# Altium PCB Goldstrike1_Rev01 2014 06 02 2.PcbDoc (part 5 of 6)
Units mm, origin at the board's own origin, x right, y up, seen from the top; angles counter-clockwise.
Board outline 110 x 255.5 mm, 4 copper layers (L1, L2, L3, L4), stack 1.577 mm thick; 658 components, 193 nets, 4346 pads, 2120 vias.
Unrouted connection lines stored in the file: 1041.
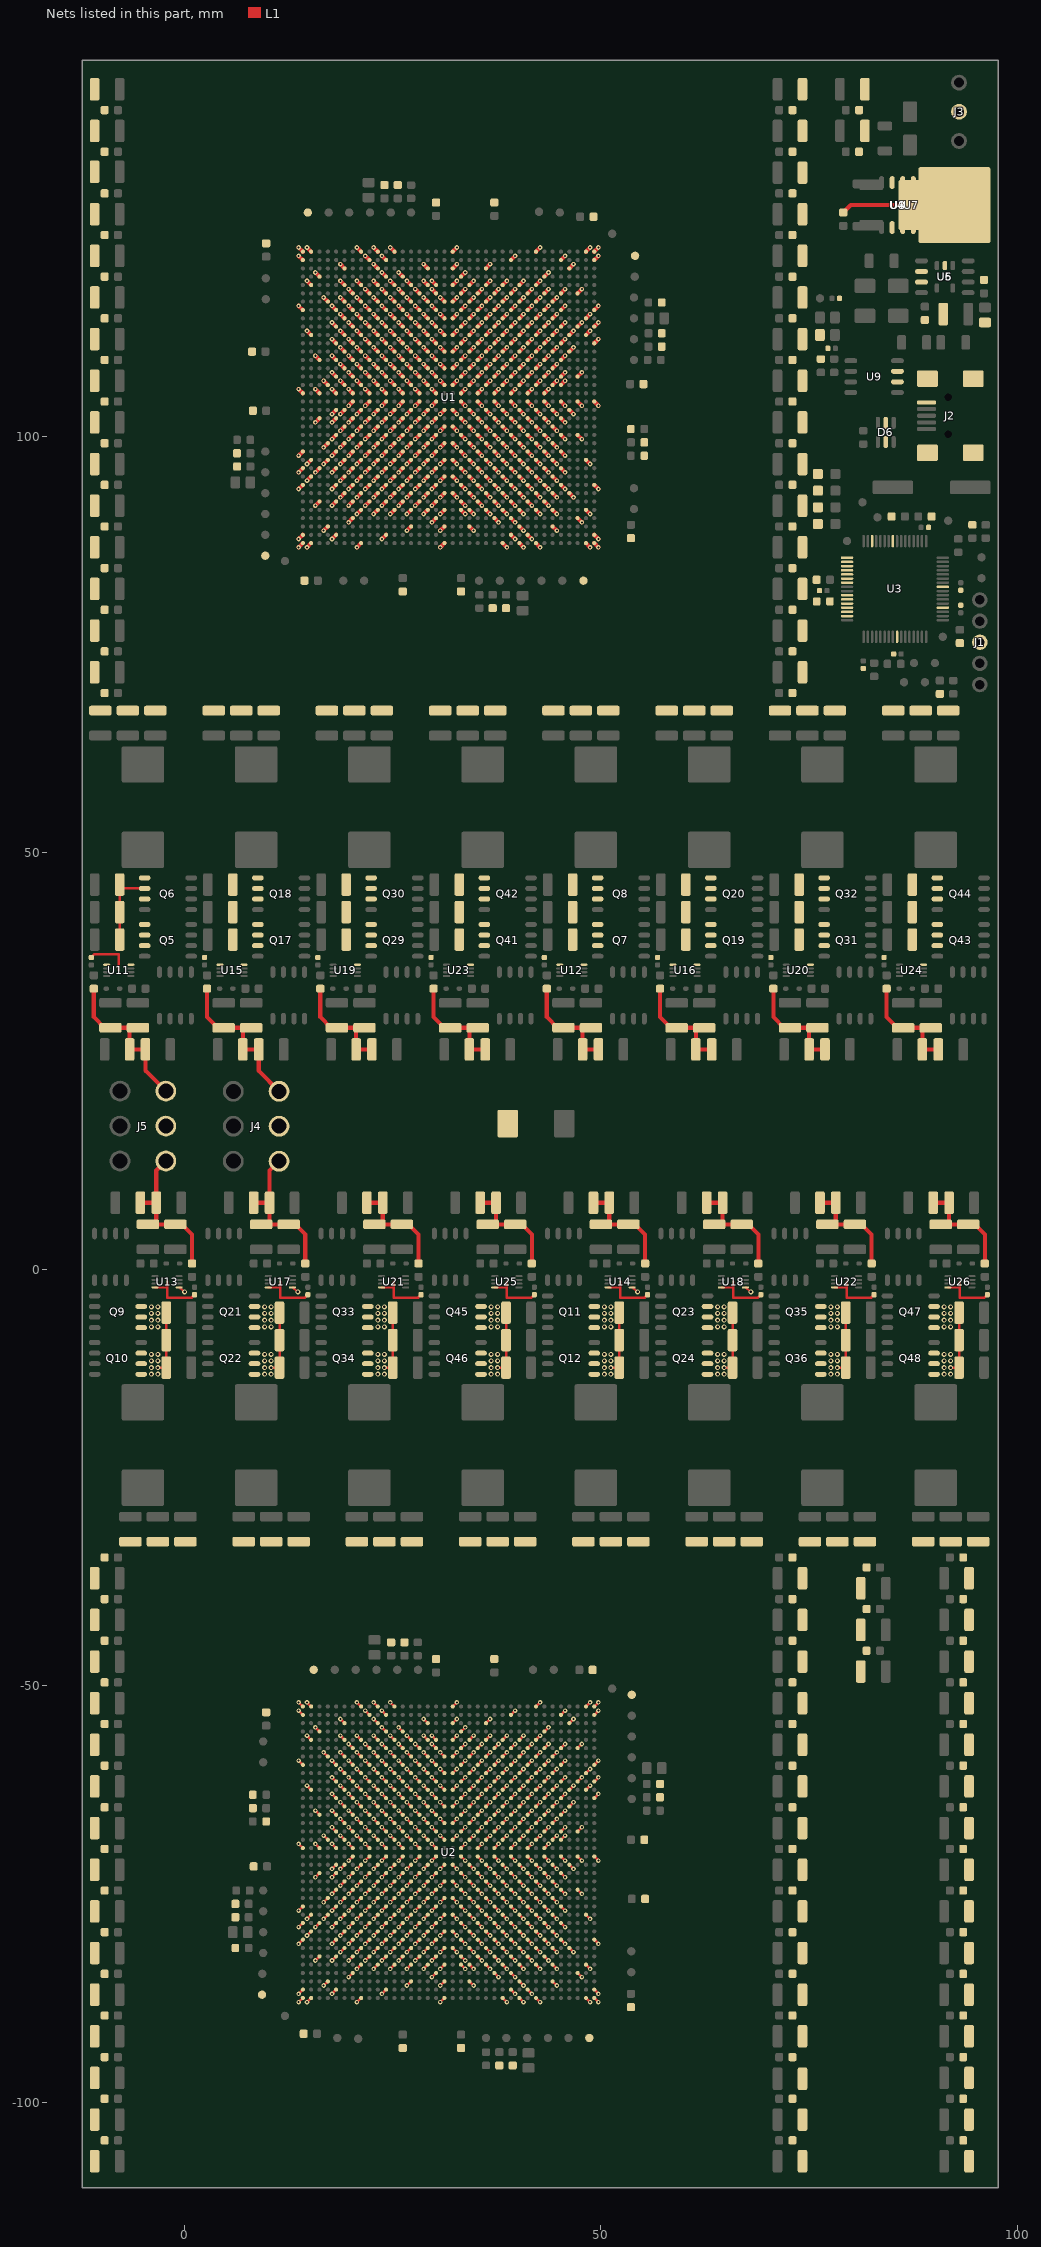
[diagram p7: the nets of this part, all layers, seen from the top]

## Via types
v1: diameter 0.55/0.55 (per signal layer), hole 0.25, L1 to L4, 1968 vias
v2: diameter 0.6/0.6 (per signal layer), hole 0.3, L1 to L4, 152 vias

## Nets (pads, with @x,y where several pads share a name; then routed paths per layer and width w, separated by ;. In a path a pad name is that pad's centre, name@x,y a point inside that pad or via, vN(x,y) a via of type N, cw(c..) or ccw(c..) an arc to the next point about the centre after c; other vN are vias at no path point) (continued)
GND: C1.2 C2.2 C3.2 C4.2 C5.2 C6.2 C7.2 C8.2 C9.2 C10.2 C11.2 C12.2 C13.1 C14.2 C15.2 C16.2 C17.2 C18.2 C19.1 C20.1 C21.1 C22.1 C23.1 C24.2 C25.2 C26.2 C27.2 C32.1 C33.1 C34.1 C35.1 C36.1 C37.1 C38.1 C39.1 C40.1 C41.1 C42.1 C43.1 C44.1 C45.1 C46.1 C47.1 C48.1 C49.1 C50.1 C51.1 C52.1 C53.1 C54.1 C55.1 C56.2 C57.2 C58.2 C59.2 C64.1 C65.1 C66.1 C67.1 C68.1 C69.1 C70.1 C71.1 C72.1 C73.1 C74.1 C75.1 C76.1 C77.1 C78.1 C79.1 C80.1 C81.1 C82.1 C83.1 C84.1 C85.1 C86.1 C87.1 C88.2 C89.2 C90.2 C91.2 C96.1 C97.1 C98.1 C99.1 C100.1 C101.1 C102.1 C103.1 C104.1 C105.1 C106.1 C107.1 C108.1 C109.1 C110.1 C111.1 C112.1 C113.1 C114.1 C115.1 C116.1 C117.1 C118.1 C119.1 C120.2 C121.2 C122.2 C123.2 C128.1 C129.1 C130.1 C131.1 C132.1 C133.1 C134.1 C135.1 C136.1 C137.1 C138.1 C139.1 C140.1 C141.1 C142.1 C143.1 C144.1 C145.1 C146.1 C147.1 C148.2 C149.2 C150.2 C151.2 C152.2 C153.2 C154.2 C155.2 C156.2 C157.2 C158.2 C159.2 C160.2 C161.2 C162.2 C163.2 C164.1 C165.1 C166.1 C167.1 C168.1 C169.1 C170.1 C171.1 C172.1 C173.1 C174.1 C175.1 C176.1 C177.1 C178.1 C179.1 C180.1 C181.1 C182.1 C183.1 C184.1 C185.1 C186.1 C187.1 C188.1 C189.1 C190.1 C191.1 C192.1 C193.1 C194.1 C195.1 C196.1 C197.1 C198.1 C199.1 C200.1 C201.1 C202.1 C203.1 C204.1 C205.1 C206.1 C207.1 C208.1 C209.1 C210.1 C211.1 C212.1 C213.1 C214.1 C215.1 C216.1 C217.1 C218.1 C219.1 C220.1 C221.1 C222.1 C223.1 C224.1 C225.1 C226.1 C227.1 C228.1 C229.1 C230.1 C231.1 C232.1 C233.1 C234.1 C235.1 C236.1 C237.1 C238.1 C239.1 C240.1 C241.1 C242.1 C243.1 C244.1 C245.1 C246.1 C247.1 C248.1 C249.1 C250.1 C251.1 C252.1 C253.1 C254.1 C255.1 C256.1 C257.1 C258.1 C259.1 C260.1 C261.1 C262.1 C263.1 C264.1 C265.1 C266.1 C267.1 C268.1 C269.1 C270.1 C271.1 C272.1 C273.1 C274.1 C275.1 C276.1 C277.1 C278.1 C279.1 C280.1 C281.1 C282.1 C283.1 C284.1 C285.1 C286.1 C287.1 C288.1 C289.1 C290.1 C291.1 C292.1 C293.1 C294.1 C295.1 C296.1 C297.1 C298.1 C299.1 C300.1 C301.1 C302.1 C303.1 C304.1 C305.1 C306.1 C307.1 C308.1 C309.1 C310.1 C311.1 C312.1 C313.1 C314.1 C315.1 C316.1 C317.1 C318.1 C319.1 C320.1 C321.1 C322.1 C323.1 C324.1 C325.1 C326.1 C327.1 C328.1 C329.1 C330.1 C331.1 C332.1 C333.1 C334.1 C335.1 C336.1 C337.1 C338.1 C339.1 C340.1 C341.1 C342.1 C343.1 C344.1 C345.1 C346.1 C347.2 C348.1 C349.1 C350.1 C351.1 C352.1 C353.1 C354.1 C355.1 C356.1 C357.1 C358.1 C359.1 C360.1 C361.1 C362.1 C363.1 C364.1 C365.1 C366.1 C367.1 C368.1 C369.1 C370.1 C371.1 C372.1 C373.1 C374.1 C375.1 C376.1 C377.1 C378.1 C379.1 C380.1 C381.1 C382.1 C383.1 C384.1 C385.1 C386.1 C387.1 C388.1 C389.1 C390.1 C391.1 C392.1 C393.1 C394.1 C395.1 C396.1 C397.1 C398.1 C399.1 C400.1 C401.1 C402.1 C403.1 C404.1 C405.1 C406.1 C407.1 C408.1 C409.1 C410.1 C411.1 C412.1 C413.1 C414.1 C415.1 C416.1 C417.1 C418.1 C419.1 C420.1 C421.1 C422.1 C423.1 C424.1 C425.1 C426.1 C427.1 D1.1 D2.1 D3.1 D4.1 D6.2 D6.5 D9.2 J1.3 J2.5 J2.6 J2.7 J2.8 J2.9 J3.2 J4.4 J4.5 J4.6 J5.4 J5.5 J5.6 Q5.1 Q5.2 Q5.3 Q6.1 Q6.2 Q6.3 Q7.1 Q7.2 Q7.3 Q8.1 Q8.2 Q8.3 Q9.1 Q9.2 Q9.3 Q10.1 Q10.2 Q10.3 Q11.1 Q11.2 Q11.3 Q12.1 Q12.2 Q12.3 Q17.1 Q17.2 Q17.3 Q18.1 Q18.2 Q18.3 Q19.1 Q19.2 Q19.3 Q20.1 Q20.2 Q20.3 Q21.1 Q21.2 Q21.3 Q22.1 Q22.2 Q22.3 Q23.1 Q23.2 Q23.3 Q24.1 Q24.2 Q24.3 Q29.1 Q29.2 Q29.3 Q30.1 Q30.2 Q30.3 Q31.1 Q31.2 Q31.3 Q32.1 Q32.2 Q32.3 Q33.1 Q33.2 Q33.3 Q34.1 Q34.2 Q34.3 Q35.1 Q35.2 Q35.3 Q36.1 Q36.2 Q36.3 Q41.1 Q41.2 Q41.3 Q42.1 Q42.2 Q42.3 Q43.1 Q43.2 Q43.3 Q44.1 Q44.2 Q44.3 Q45.1 Q45.2 Q45.3 Q46.1 Q46.2 Q46.3 Q47.1 Q47.2 Q47.3 Q48.1 Q48.2 Q48.3 R1.2 R2.2 R3.2 R5.1 R17.2 R20.2 R22.2 R23.2 R26.2 TP70.1 TP71.1 TP72.1 TP73.1 TP74.1 TP75.1 TP76.1 TP77.1 U1.A1 U1.A2 U1.A10 U1.A12 U1.A19 U1.A29 U1.A35 U1.A36 U1.AA3 U1.AA5 U1.AA7 U1.AA9 U1.AA11 U1.AA13 U1.AA15 U1.AA17 U1.AA20 U1.AA22 U1.AA24 U1.AA26 U1.AA28 U1.AA30 U1.AA32 U1.AB6 U1.AB8 U1.AB10 U1.AB12 U1.AB14 U1.AB16 U1.AB18 U1.AB19 U1.AB21 U1.AB23 U1.AB25 U1.AB27 U1.AB29 U1.AB31 U1.AC5 U1.AC7 U1.AC9 U1.AC11 U1.AC13 U1.AC15 U1.AC17 U1.AC20 U1.AC22 U1.AC24 U1.AC26 U1.AC28 U1.AC30 U1.AC32 U1.AC34 U1.AD4 U1.AD6 U1.AD8 U1.AD10 U1.AD12 U1.AD14 U1.AD16 U1.AD18 U1.AD19 U1.AD21 U1.AD23 U1.AD25 U1.AD27 U1.AD29 U1.AD31 U1.AE1 U1.AE5 U1.AE7 U1.AE9 U1.AE11 U1.AE13 U1.AE15 U1.AE17 U1.AE20 U1.AE22 U1.AE24 U1.AE26 U1.AE28 U1.AE30 U1.AE32 U1.AF2 U1.AF6 U1.AF8 U1.AF10 U1.AF12 U1.AF14 U1.AF16 U1.AF18 U1.AF19 U1.AF21 U1.AF23 U1.AF25 U1.AF27 U1.AF29 U1.AF31 U1.AF35 U1.AG1 U1.AG5 U1.AG7 U1.AG9 U1.AG11 U1.AG13 U1.AG15 U1.AG17 U1.AG20 U1.AG22 U1.AG24 U1.AG26 U1.AG28 U1.AG30 U1.AG32 U1.AH2 U1.AH6 U1.AH8 U1.AH10 U1.AH12 U1.AH14 U1.AH16 U1.AH18 U1.AH19 U1.AH21 U1.AH23 U1.AH25 U1.AH27 U1.AH29 U1.AH31 U1.AJ5 U1.AJ7 U1.AJ9 U1.AJ11 U1.AJ13 U1.AJ15 U1.AJ17 U1.AJ20 U1.AJ22 U1.AJ24 U1.AJ26 U1.AJ28 U1.AJ30 U1.AJ32 U1.AJ36 U1.AK6 U1.AK8 U1.AK10 U1.AK12 U1.AK14 U1.AK16 U1.AK18 U1.AK19 U1.AK21 U1.AK23 U1.AK25 U1.AK27 U1.AK29 U1.AK31 U1.AK33 U1.AL3 U1.AL5 U1.AL7 U1.AL9 U1.AL11 U1.AL13 U1.AL15 U1.AL17 U1.AL20 U1.AL22 U1.AL24 U1.AL26 U1.AL28 U1.AL30 U1.AM8 U1.AM10 U1.AM12 U1.AM14 U1.AM16 U1.AM18 U1.AM20 U1.AM21 U1.AM23 U1.AM25 U1.AM27 U1.AM29 U1.AM31 U1.AM35 U1.AN7 U1.AN17 U1.AN24 U1.AN34 U1.AP4 U1.AP14 U1.AP18 U1.AP21 U1.AP31 U1.AR1 U1.AR5 U1.AR11 U1.AR26 U1.AR28 U1.AR36 U1.AT1 U1.AT2 U1.AT8 U1.AT18 U1.AT25 U1.AT27 U1.AT35 U1.AT36 U1.B1 U1.B9 U1.B11 U1.B26 U1.B32 U1.B36 U1.C6 U1.C16 U1.C19 U1.C23 U1.C33 U1.D3 U1.D13 U1.D20 U1.D30 U1.E2 U1.E6 U1.E8 U1.E10 U1.E12 U1.E14 U1.E16 U1.E17 U1.E19 U1.E21 U1.E23 U1.E25 U1.E27 U1.E29 U1.F7 U1.F9 U1.F11 U1.F13 U1.F15 U1.F17 U1.F20 U1.F22 U1.F24 U1.F26 U1.F28 U1.F30 U1.F32 U1.F34 U1.G4 U1.G6 U1.G8 U1.G10 U1.G12 U1.G14 U1.G16 U1.G18 U1.G19 U1.G21 U1.G23 U1.G25 U1.G27 U1.G29 U1.G31 U1.H1 U1.H5 U1.H7 U1.H9 U1.H11 U1.H13 U1.H15 U1.H17 U1.H20 U1.H22 U1.H24 U1.H26 U1.H28 U1.H30 U1.H32 U1.J6 U1.J8 U1.J10 U1.J12 U1.J14 U1.J16 U1.J18 U1.J19 U1.J21 U1.J23 U1.J25 U1.J27 U1.J29 U1.J31 U1.J35 U1.K5 U1.K7 U1.K9 U1.K11 U1.K13 U1.K15 U1.K17 U1.K20 U1.K22 U1.K24 U1.K26 U1.K28 U1.K30 U1.K32 U1.K36 U1.L2 U1.L6 U1.L8 U1.L10 U1.L12 U1.L14 U1.L16 U1.L18 U1.L19 U1.L21 U1.L23 U1.L25 U1.L27 U1.L29 U1.L31 U1.L35 U1.M5 U1.M7 U1.M9 U1.M11 U1.M13 U1.M15 U1.M17 U1.M20 U1.M22 U1.M24 U1.M26 U1.M28 U1.M30 U1.M32 U1.M36 U1.N6 U1.N8 U1.N10 U1.N12 U1.N14 U1.N16 U1.N18 U1.N19 U1.N21 U1.N23 U1.N25 U1.N27 U1.N29 U1.N31 U1.N33 U1.P3 U1.P5 U1.P7 U1.P9 U1.P11 U1.P13 U1.P15 U1.P17 U1.P20 U1.P22 U1.P24 U1.P26 U1.P28 U1.P30 U1.P32 U1.R6 U1.R8 U1.R10 U1.R12 U1.R14 U1.R16 U1.R18 U1.R19 U1.R21 U1.R23 U1.R25 U1.R27 U1.R29 U1.R31 U1.T5 U1.T7 U1.T9 U1.T11 U1.T13 U1.T15 U1.T17 U1.T20 U1.T22 U1.T24 U1.T26 U1.T28 U1.T30 U1.T32 U1.T34 U1.U4 U1.U6 U1.U8 U1.U10 U1.U12 U1.U14 U1.U16 U1.U18 U1.U19 U1.U21 U1.U23 U1.U25 U1.U27 U1.U29 U1.U31 U1.U32 U1.V1 U1.V3 U1.V5 U1.V7 U1.V9 U1.V11 U1.V13 U1.V15 U1.V17 U1.V20 U1.V22 U1.V24 U1.V26 U1.V28 U1.V30 U1.W7 U1.W9 U1.W11 U1.W13 U1.W15 U1.W17 U1.W20 U1.W22 U1.W24 U1.W26 U1.W28 U1.W30 U1.W32 U1.W34 U1.W36 U1.Y5 U1.Y6 U1.Y8 U1.Y10 U1.Y12 U1.Y14 U1.Y16 U1.Y18 U1.Y19 U1.Y21 U1.Y23 U1.Y25 U1.Y27 U1.Y29 U1.Y31 U1.Y33 U2.A1 U2.A2 U2.A10 U2.A12 U2.A19 U2.A29 U2.A35 U2.A36 U2.AA3 U2.AA5 U2.AA7 U2.AA9 U2.AA11 U2.AA13 U2.AA15 U2.AA17 U2.AA20 U2.AA22 U2.AA24 U2.AA26 U2.AA28 U2.AA30 U2.AA32 U2.AB6 U2.AB8 U2.AB10 U2.AB12 U2.AB14 U2.AB16 U2.AB18 U2.AB19 U2.AB21 U2.AB23 U2.AB25 U2.AB27 U2.AB29 U2.AB31 U2.AC5 U2.AC7 U2.AC9 U2.AC11 U2.AC13 U2.AC15 U2.AC17 U2.AC20 U2.AC22 U2.AC24 U2.AC26 U2.AC28 U2.AC30 U2.AC32 U2.AC34 U2.AD4 U2.AD6 U2.AD8 U2.AD10 U2.AD12 U2.AD14 U2.AD16 U2.AD18 U2.AD19 U2.AD21 U2.AD23 U2.AD25 U2.AD27 U2.AD29 U2.AD31 U2.AE1 U2.AE5 U2.AE7 U2.AE9 U2.AE11 U2.AE13 U2.AE15 U2.AE17 U2.AE20 U2.AE22 U2.AE24 U2.AE26 U2.AE28 U2.AE30 U2.AE32 U2.AF2 U2.AF6 U2.AF8 U2.AF10 U2.AF12 U2.AF14 U2.AF16 U2.AF18 U2.AF19 U2.AF21 U2.AF23 U2.AF25 U2.AF27 U2.AF29 U2.AF31 U2.AF35 U2.AG1 U2.AG5 U2.AG7 U2.AG9 U2.AG11 U2.AG13 U2.AG15 U2.AG17 U2.AG20 U2.AG22 U2.AG24 U2.AG26 U2.AG28 U2.AG30 U2.AG32 U2.AH2 U2.AH6 U2.AH8 U2.AH10 U2.AH12 U2.AH14 U2.AH16 U2.AH18 U2.AH19 U2.AH21 U2.AH23 U2.AH25 U2.AH27 U2.AH29 U2.AH31 U2.AJ5 U2.AJ7 U2.AJ9 U2.AJ11 U2.AJ13 U2.AJ15 U2.AJ17 U2.AJ20 U2.AJ22 U2.AJ24 U2.AJ26 U2.AJ28 U2.AJ30 U2.AJ32 U2.AJ36 U2.AK6 U2.AK8 U2.AK10 U2.AK12 U2.AK14 U2.AK16 U2.AK18 U2.AK19 U2.AK21 U2.AK23 U2.AK25 U2.AK27 U2.AK29 U2.AK31 U2.AK33 U2.AL3 U2.AL5 U2.AL7 U2.AL9 U2.AL11 U2.AL13 U2.AL15 U2.AL17 U2.AL20 U2.AL22 U2.AL24 U2.AL26 U2.AL28 U2.AL30 U2.AM8 U2.AM10 U2.AM12 U2.AM14 U2.AM16 U2.AM18 U2.AM20 U2.AM21 U2.AM23 U2.AM25 U2.AM27 U2.AM29 U2.AM31 U2.AM35 U2.AN7 U2.AN17 U2.AN24 U2.AN34 U2.AP4 U2.AP14 U2.AP18 U2.AP21 U2.AP31 U2.AR1 U2.AR5 U2.AR11 U2.AR26 U2.AR28 U2.AR36 U2.AT1 U2.AT2 U2.AT8 U2.AT18 U2.AT25 U2.AT27 U2.AT35 U2.AT36 U2.B1 U2.B9 U2.B11 U2.B26 U2.B32 U2.B36 U2.C6 U2.C16 U2.C19 U2.C23 U2.C33 U2.D3 U2.D13 U2.D20 U2.D30 U2.E2 U2.E6 U2.E8 U2.E10 U2.E12 U2.E14 U2.E16 U2.E17 U2.E19 U2.E21 U2.E23 U2.E25 U2.E27 U2.E29 U2.F7 U2.F9 U2.F11 U2.F13 U2.F15 U2.F17 U2.F20 U2.F22 U2.F24 U2.F26 U2.F28 U2.F30 U2.F32 U2.F34 U2.G4 U2.G6 U2.G8 U2.G10 U2.G12 U2.G14 U2.G16 U2.G18 U2.G19 U2.G21 U2.G23 U2.G25 U2.G27 U2.G29 U2.G31 U2.H1 U2.H5 U2.H7 U2.H9 U2.H11 U2.H13 U2.H15 U2.H17 U2.H20 U2.H22 U2.H24 U2.H26 U2.H28 U2.H30 U2.H32 U2.J6 U2.J8 U2.J10 U2.J12 U2.J14 U2.J16 U2.J18 U2.J19 U2.J21 U2.J23 U2.J25 U2.J27 U2.J29 U2.J31 U2.J35 U2.K5 U2.K7 U2.K9 U2.K11 U2.K13 U2.K15 U2.K17 U2.K20 U2.K22 U2.K24 U2.K26 U2.K28 U2.K30 U2.K32 U2.K36 U2.L2 U2.L6 U2.L8 U2.L10 U2.L12 U2.L14 U2.L16 U2.L18 U2.L19 U2.L21 U2.L23 U2.L25 U2.L27 U2.L29 U2.L31 U2.L35 U2.M5 U2.M7 U2.M9 U2.M11 U2.M13 U2.M15 U2.M17 U2.M20 U2.M22 U2.M24 U2.M26 U2.M28 U2.M30 U2.M32 U2.M36 U2.N6 U2.N8 U2.N10 U2.N12 U2.N14 U2.N16 U2.N18 U2.N19 U2.N21 U2.N23 U2.N25 U2.N27 U2.N29 U2.N31 U2.N33 U2.P3 U2.P5 U2.P7 U2.P9 U2.P11 U2.P13 U2.P15 U2.P17 U2.P20 U2.P22 U2.P24 U2.P26 U2.P28 U2.P30 U2.P32 U2.R6 U2.R8 U2.R10 U2.R12 U2.R14 U2.R16 U2.R18 U2.R19 U2.R21 U2.R23 U2.R25 U2.R27 U2.R29 U2.R31 U2.T5 U2.T7 U2.T9 U2.T11 U2.T13 U2.T15 U2.T17 U2.T20 U2.T22 U2.T24 U2.T26 U2.T28 U2.T30 U2.T32 U2.T34 U2.U4 U2.U6 U2.U8 U2.U10 U2.U12 U2.U14 U2.U16 U2.U18 U2.U19 U2.U21 U2.U23 U2.U25 U2.U27 U2.U29 U2.U31 U2.U32 U2.V1 U2.V3 U2.V5 U2.V7 U2.V9 U2.V11 U2.V13 U2.V15 U2.V17 U2.V20 U2.V22 U2.V24 U2.V26 U2.V28 U2.V30 U2.W7 U2.W9 U2.W11 U2.W13 U2.W15 U2.W17 U2.W20 U2.W22 U2.W24 U2.W26 U2.W28 U2.W30 U2.W32 U2.W34 U2.W36 U2.Y5 U2.Y6 U2.Y8 U2.Y10 U2.Y12 U2.Y14 U2.Y16 U2.Y18 U2.Y19 U2.Y21 U2.Y23 U2.Y25 U2.Y27 U2.Y29 U2.Y31 U2.Y33 U3.9 U3.20 U3.25 U3.41 U4.2 U4.3 U4.4 U4.5 U4.6 U4.7 U5.2 U6.6 U6.7 U7.4 U8.4 U9.6 U9.7 U11.4 U11.9 U12.4 U12.9 U13.4 U13.9 U14.4 U14.9 U15.4 U15.9 U16.4 U16.9 U17.4 U17.9 U18.4 U18.9 U19.4 U19.9 U20.4 U20.9 U21.4 U21.9 U22.4 U22.9 U23.4 U23.9 U24.4 U24.9 U25.4 U25.9 U26.4 U26.9 | length 1039.9
  L1 w0.25: U13.4@-3.55,-2.175 -2.1,-2.175 ; U17.4@10.05,-2.175 11.5,-2.175 ; U21.4@23.65,-2.175 25.1,-2.175 ; U25.4@37.25,-2.175 38.7,-2.175 ; U14.4@50.85,-2.175 52.3,-2.175 ; U18.4@64.45,-2.175 65.9,-2.175 ; U22.4@78.05,-2.175 79.5,-2.175 ; U26.4@91.65,-2.175 93.1,-2.175